# Altium PCB PCB1.PcbDoc
Units mm, origin at the board's own origin, x right, y up, seen from the top; angles counter-clockwise.
Board outline 134 x 92.5 mm, 2 copper layers (Top Layer, Bottom Layer), stack 0.325 mm thick; 74 components, 45 nets, 210 pads, 134 vias.
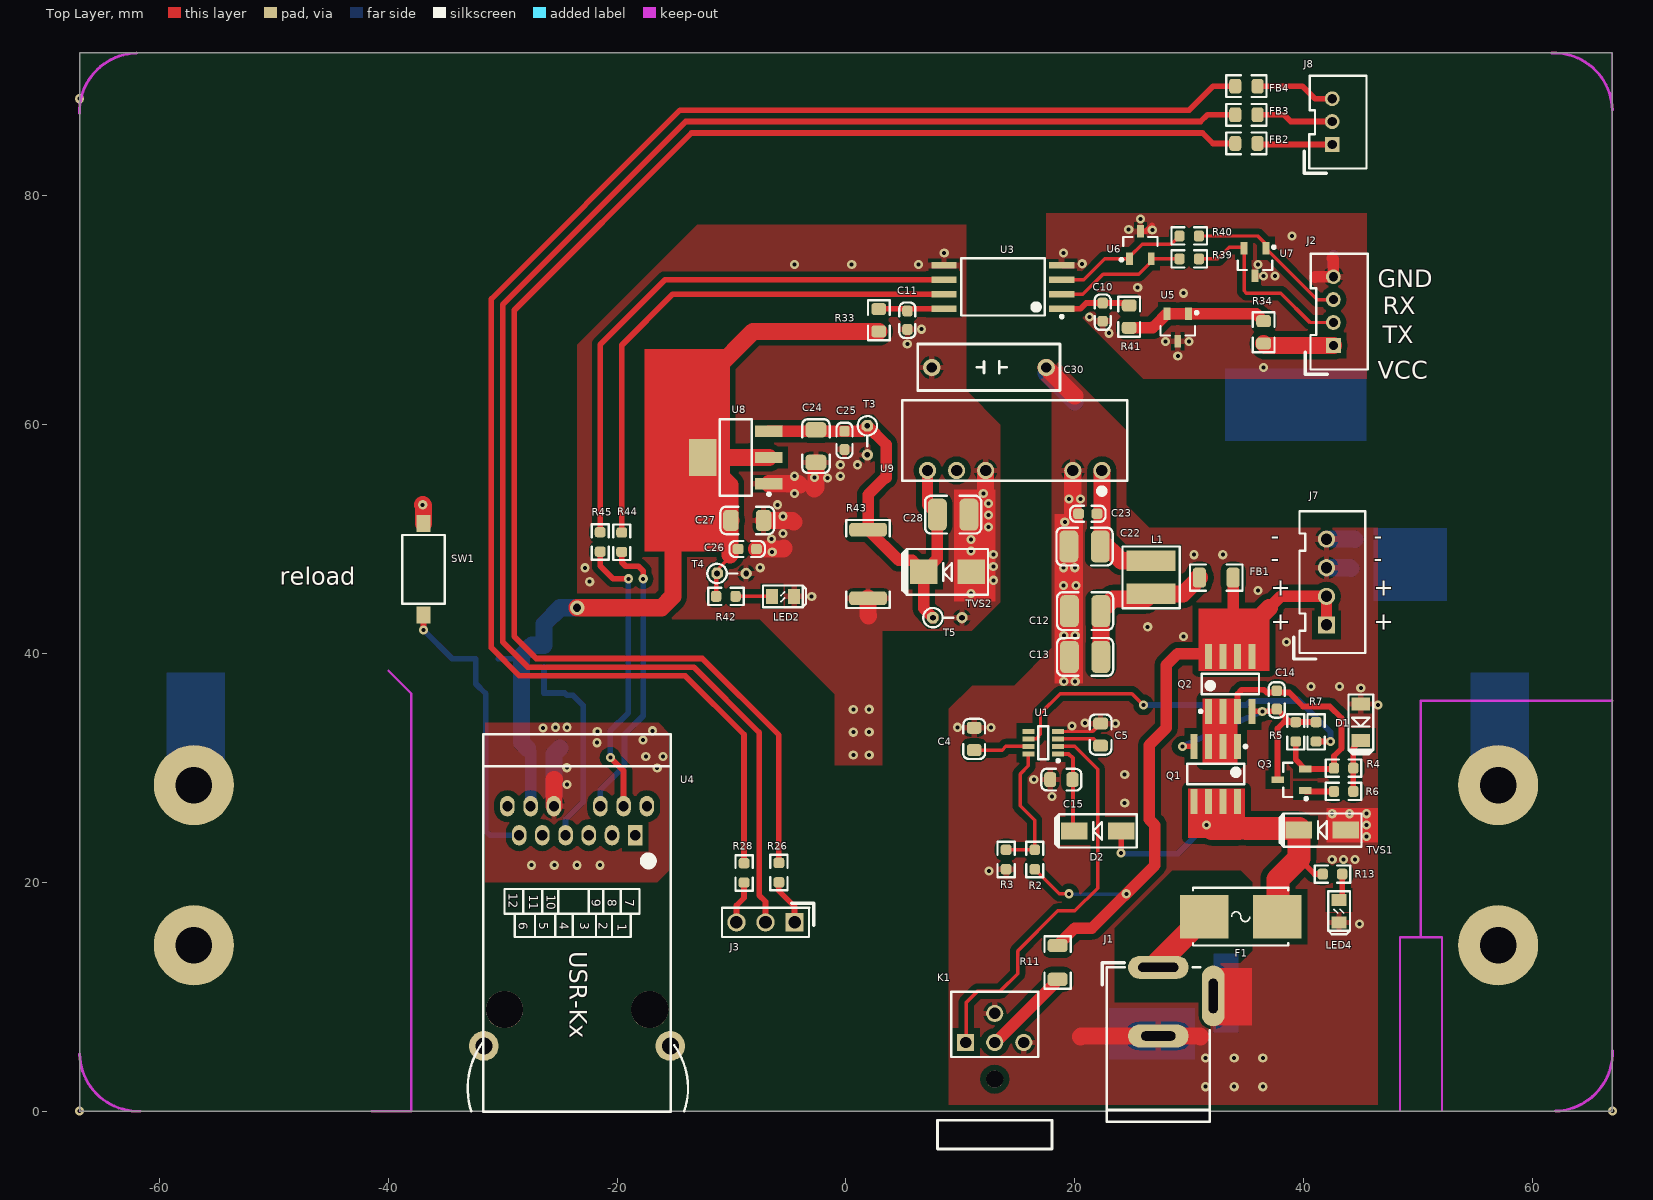
[diagram p0: Top Layer view]
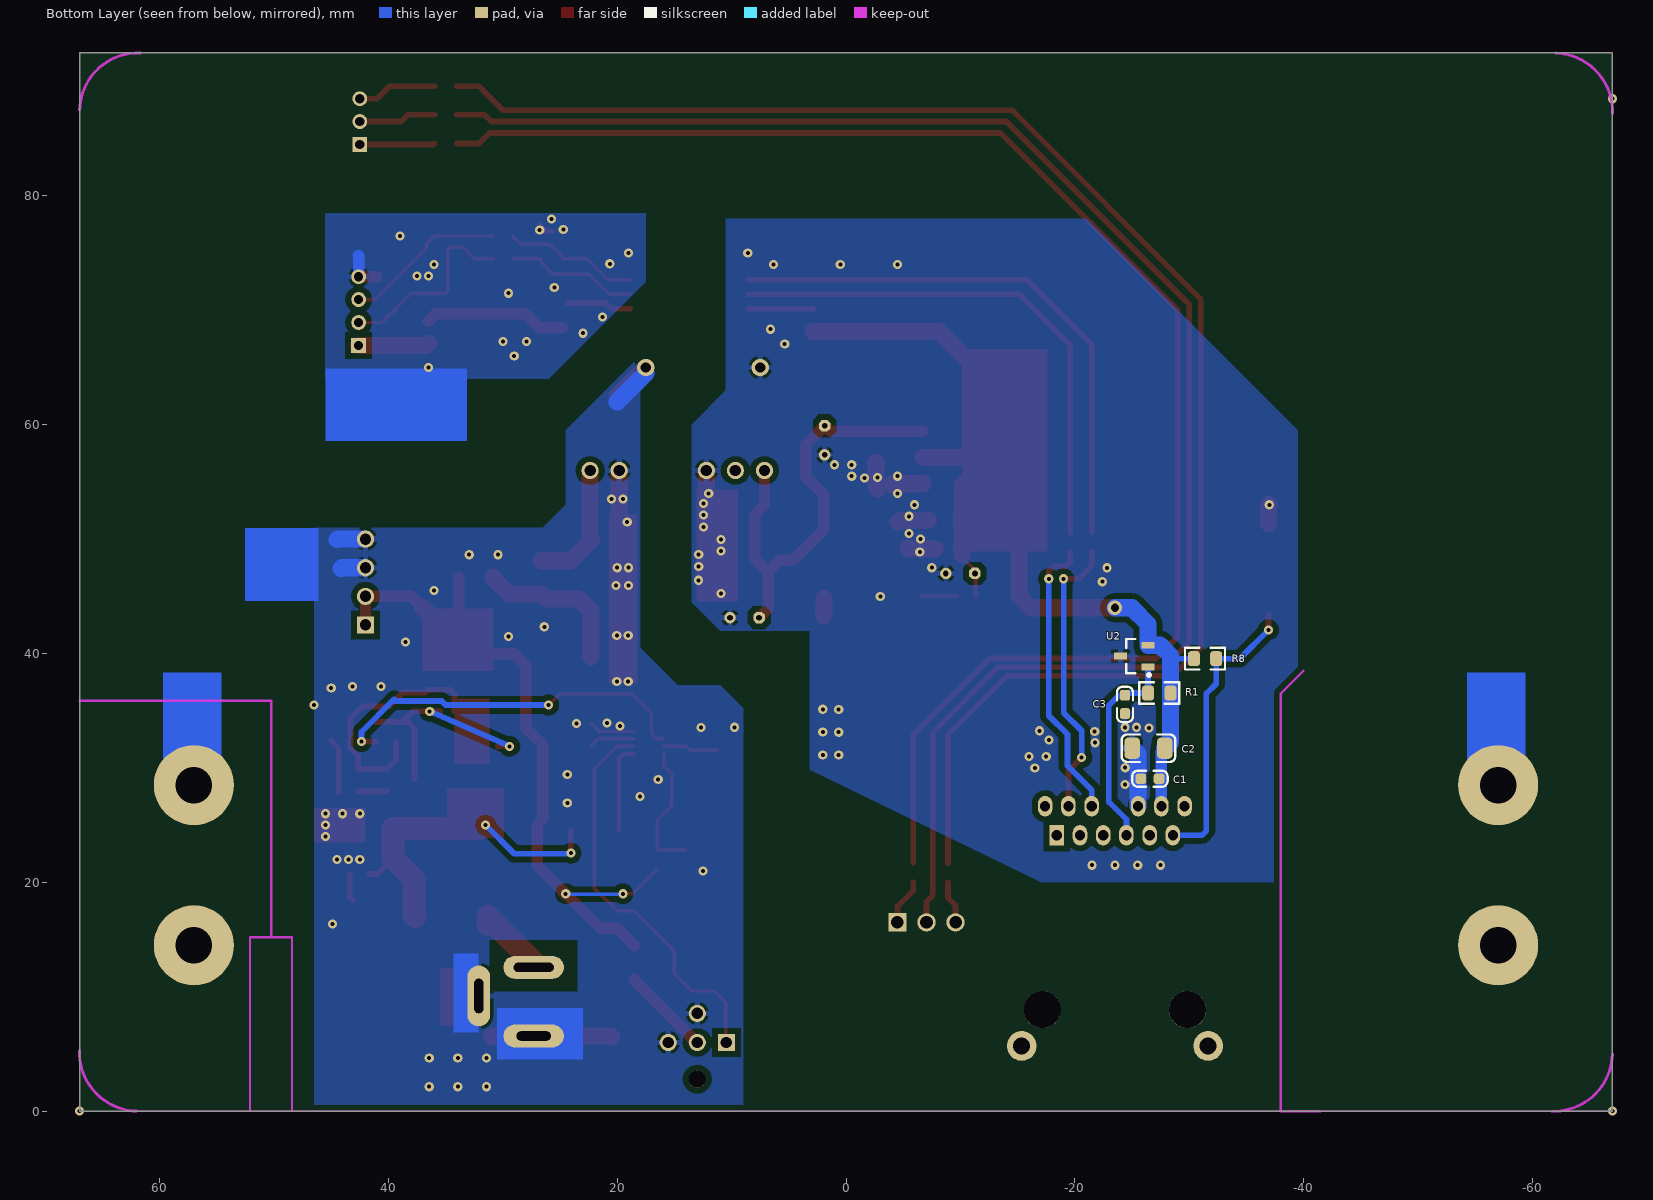
[diagram p1: Bottom Layer view, seen from below]
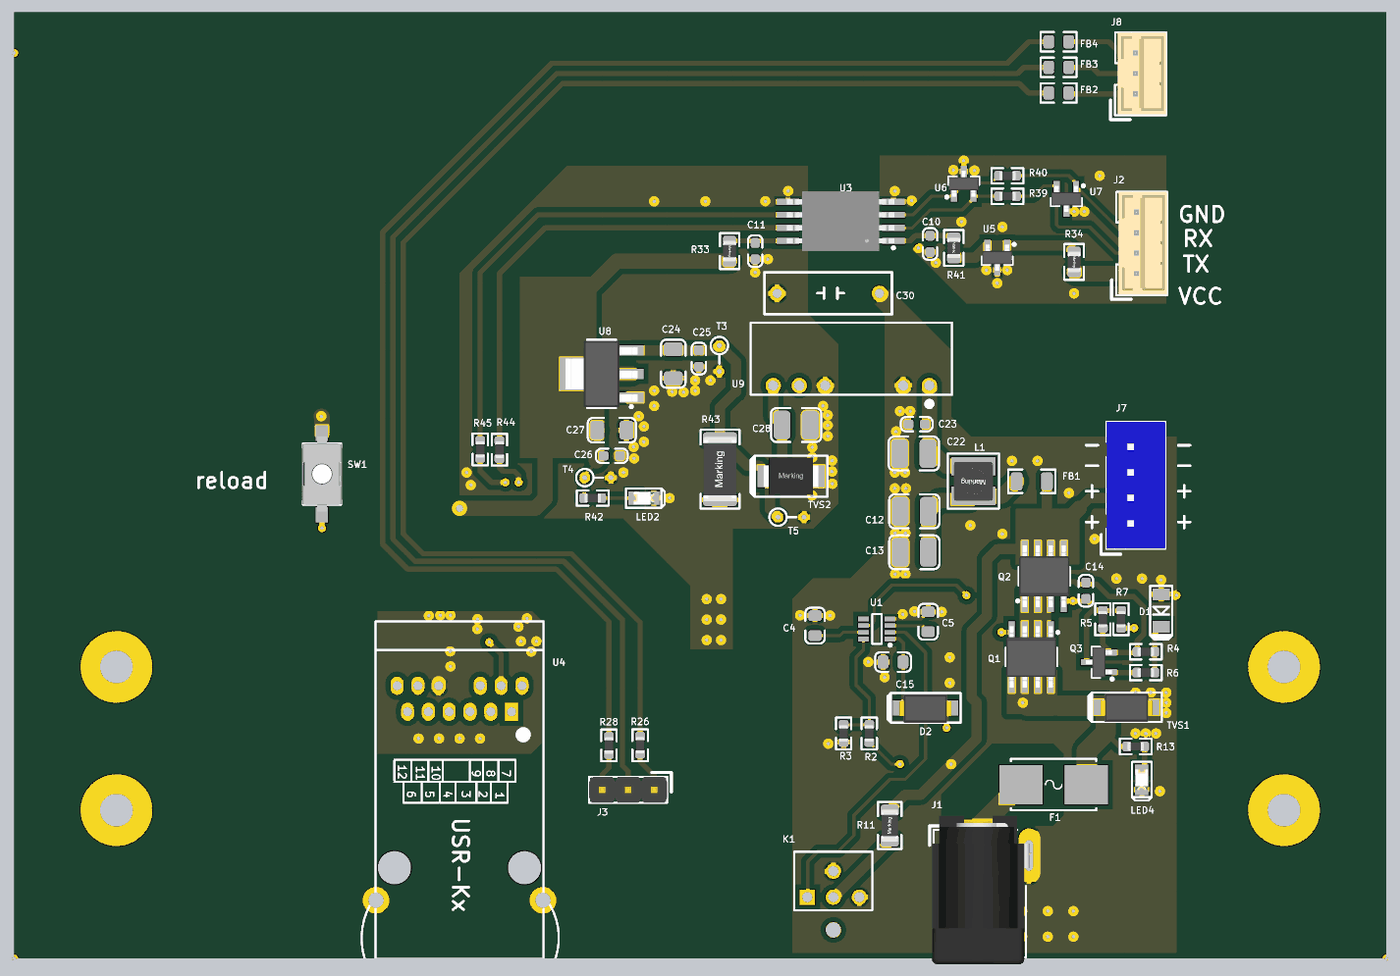
[diagram p2: 3D render of the assembled board from above, using the file's embedded part models]
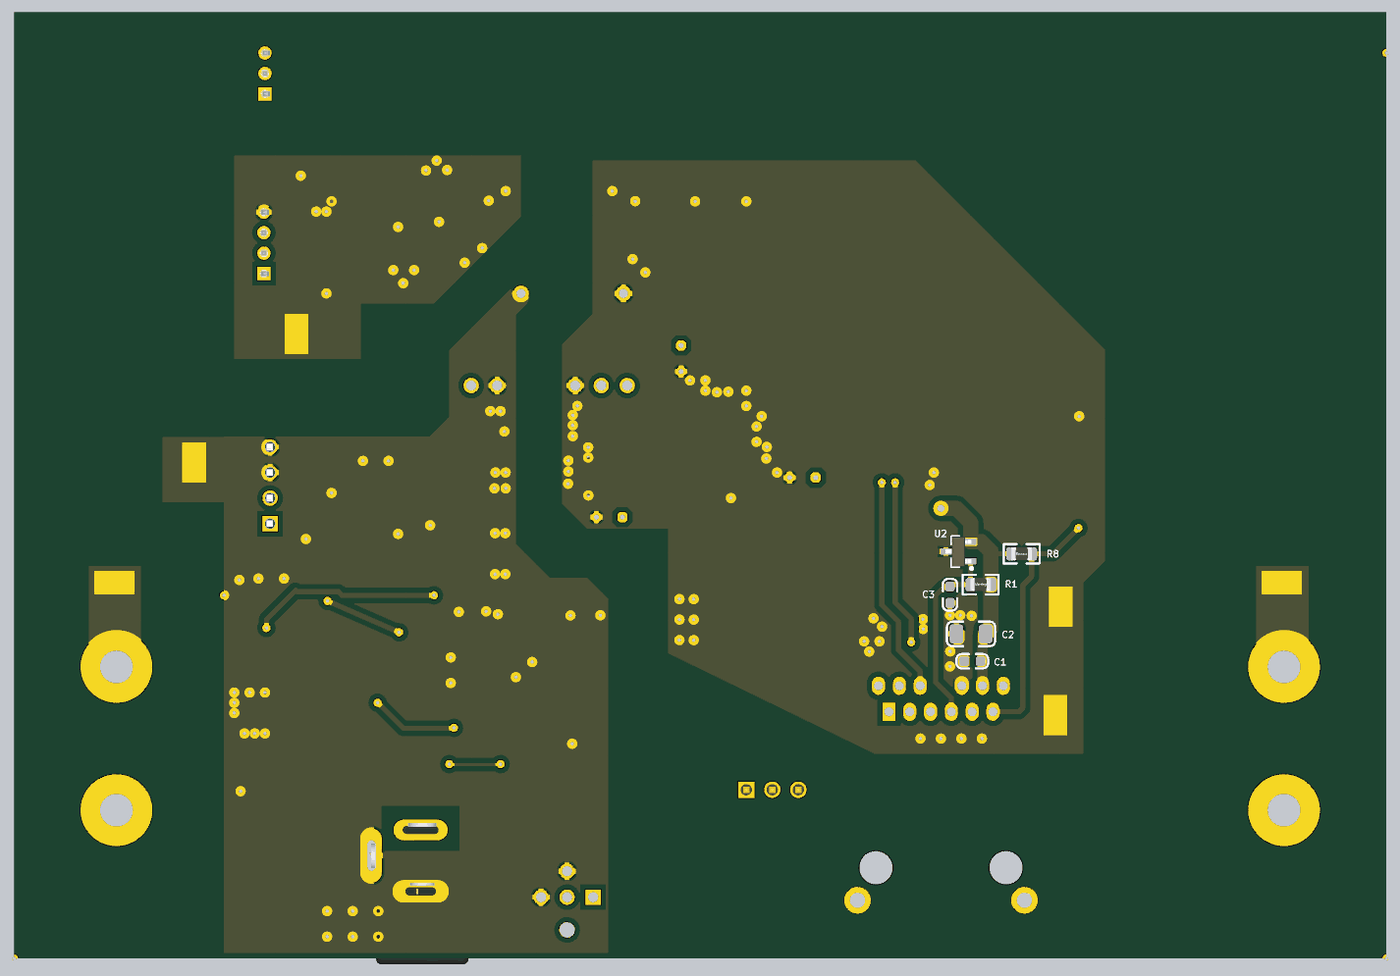
[diagram p3: 3D render of the assembled board from below, using the file's embedded part models]

## Layer stack, top to bottom
Top Solder: solder mask 0.0102, Solder Resist, Dk 3.5
Top Layer: signal copper 0.0356
Dielectric 1: core 0.254, FR-4, Dk 4.2
Bottom Layer: signal copper 0.0356
Bottom Solder: solder mask 0.0102, Solder Resist, Dk 3.5

## Board outline
-67,0 -67,92.5 67,92.5 67,0

## Design rules (kind name [scope] priority, off if disabled: settings)
Clearance Clearance_1 [InPolygon] p1: gap=0.5
Clearance [InNet('GND')] p2: gap=0.35
Clearance Clearance_2 [All] p3: gap=0.2
PolygonConnect [isvia] p1: connectstyle=Direct reliefconductorwidth=0.254 reliefentries=4 polygonreliefangle="90 Angle" airgapwidth=0.254
PolygonConnect PolygonConnect_1 [All] p2: connectstyle=Relief reliefconductorwidth=0.5 reliefentries=4 polygonreliefangle="90 Angle" airgapwidth=0.254
RoutingVias [All] p1: holewidth=0.711 width=1.27 viastyle="Through Hole" minholewidth=0.711 minwidth=1.27 maxholewidth=0.711 maxwidth=1.27
SilkToSolderMaskClearance [IsPad] p1: minsilkscreentomaskgap=0.01 clearancetoexposedcopper=TRUE
SolderMaskExpansion [All] p1: expansion=0.102
Width [All] p1: maxlimit=2 minlimit=0.254 preferedwidth=0.254
29 further rules are at their usual default settings.

## Components (designator, comment, footprint, x,y, rotation, side; value= is the part's Value field where it differs from the comment)
C1 "100nF/50V" C-0603 -26.567,29.06 r180 bottom
C2 "10uF/25V" C-1206 -26.44,31.727 r180 bottom
C3 "?F/?V" C-0603 -24.383,35.553 r270 bottom
C4 "?F/?V" C-0805 11.205,32.536 r90 top
C5 "?F/?V" C-0805 22.254,32.917 r270 top
C10 "100nF/50V" C-0603 22.437,69.841 r270 top
C11 "100nF/50V" C-0603 5.366,69.137 r90 top
C12 "10uF/25V" C-1210 20.901,43.706 r0 top
C13 "10uF/25V" C-1210 20.901,39.706 r0 top
C14 "?F/?V" C-0603 37.658,35.951 r270 top
C15 "?F/?V" C-0805 18.825,28.98 r0 top
C22 "10uF/25V" C-1210 20.853,49.352 r0 top
C23 "100nF/50V" C-0603 21.133,52.222 r180 top
C24 "10uF/25V" C-1206 -2.634,58.137 r90 top
C25 "100nF/50V" C-0603 -0.134,58.637 r90 top
C26 "100nF/50V" C-0603 -8.634,49.137 r180 top
C27 "10uF/25V" C-1206 -8.634,51.637 r180 top
C28 "10uF/25V" C-1210 9.366,52.137 r180 top
C30 "1000pF/3KV" HV_CAP 17.5,65 r180 top (schematic designator C16)
D1 "稳压" DO-213AB/LL34/MiniMELF 45,34 r90 top
D2 "稳压" DO-214AC/SMA 22,24.5 r0 top
F1 "?A/?V" F-Littlefuse_154 34.5,17 r180 top
FB1 "贴片磁珠600R@100MHz,2500mA,1206" FB-1206 32.366,46.637 r180 top
FB2 "?OU/@100M ?A?R@100MHz ?A" FB-0805 35,84.594 r0 top
FB3 "?OU/@100M ?A?R@100MHz ?A" FB-0805 35,87.094 r0 top
FB4 "?OU/@100M ?A?R@100MHz ?A" FB-0805 35,89.594 r0 top
J1 "ADC-002-2" ADC-002-2 27.3,12.568 r90 top
J2 "JST_PH 2.00-4" "JST_PH 2.00-4" 42.601,66.938 r90 top
J3 "SIP_2.54_3P" SIP_2.54_3P -4.496,16.5 r180 top
J7 "JST_XH 2.5-4" "JST_XH 2.5-4" 42,42.5 r270 top
J8 "JST_PH 2.00-3" "JST_PH 2.00-3" 42.5,84.5 r90 top
K1 "带灯按键 90度" "带灯按键 90度" 13,6 r0 top
L1 "6.8uH/750mA" "L-WE-TPC Size 3816" 26.67,46.66 r90 top (schematic designator L2)
LED2 "?颜色" LED-0805 -5.5,45 r180 top
LED4 "?颜色" LED-0805 43.104,17.475 r90 top
Q1 "PMOS-SOIC-8" SOIC-8(4.90*3.9) 32.324,29.474 r270 top
Q2 "PMOS-SOIC-8" SOIC-8(4.90*3.9) 33.594,37.348 r90 top
Q3 "PNP-SOT23" SOT23-3 38.928,28.966 r180 top
R1 "10K±1%" R-0805 -27.383,36.553 r180 bottom
R2 "?±1%" R-0603 16.5,22 r270 top
R3 "?±1%" R-0603 14,22 r90 top
R4 "?±1%" R-0603 43.5,29.982 r180 top
R5 "?±1%" R-0603 39.309,33.157 r270 top
R6 "?±1%" R-0603 43.5,27.95 r0 top
R7 "?±1%" R-0603 41.087,33.157 r90 top
R8 "10K±1%" R-0805 -31.383,39.553 r0 bottom
R11 "?±1%" R-1206 18.5,13 r90 top
R13 "?±1%" R-0603 42.52,20.726 r180 top
R26 "1K±1%" R-0603 -5.867,20.853 r90 top
R28 "1K±1%" R-0603 -8.915,20.828 r90 top
R33 "10Ω±1%" R-0805 2.866,69.137 r270 top
R34 "?±1%" R-0805 36.505,68.081 r270 top
R39 "?±1%" R-0603 30,74.5 r0 top
R40 "?±1%" R-0603 30,76.5 r0 top
R41 "10Ω±1%" R-0805 24.754,69.451 r270 top
R42 "?±1%" R-0603 -10.5,45 r180 top
R43 "120Ω" R-2512 1.93,47.828 r90 top
R44 "100±1%" R-0603 -19.609,49.733 r90 top
R45 "100±1%" R-0603 -21.488,49.759 r90 top
SW1 "按键开关3*6*2.5mm 2pin" "按键开关3*6*2.5MM 2PIN" -36.931,47.358 r270 top
T3 "test_point" TP-DIP-2 1.866,58.637 r270 top
T4 "test_point" TP-DIP-2 -10,47 r0 top
T5 "test_point" TP-DIP-2 8.866,43.137 r0 top
TVS1 "SMAJ13A" DO-214AC/SMA 41.637,24.566 r0 top
TVS2 "SMBJ5.0A" DO-214AA/SMB 8.866,47.137 r0 top
U1 "LTC2954ITS8-2#PBF(LTCNK)" SOT23-8 17.243,32.208 r180 top
U2 "PESD5V2S2UT(*U1)" SOT23-3 -25.197,39.776 r0 bottom
U3 "ADuM226N" "SOIC-8(Wide Body)" 18.866,70.137 r180 top
U4 "USR-K3 V2" "USR-K3 V2" -18.425,24.119 r270 top
U5 "PESD5V2S2UT(*U1)" SOT23-3 29,68.5 r270 top
U6 "PESD5V2S2UT(*U1)" SOT23-3 25.73,75.717 r90 top
U7 "PESD5V2S2UT(*U1)" SOT23-3 35.751,74.233 r270 top
U8 "LM1117IMP-3.3/NOPB(N05B)" SOT223 -9.634,57.137 r180 top
U9 "F1205S-2WR2" F_S-2WR2 22.366,56 r180 top

## Footprints (in the part's own frame and the unit in brackets; to place one, negate y for a bottom-side part, rotate by r counter-clockwise, add the part's x,y. Pads: shape width x height; smd on the part's side, far side on the other; paste and mask are expansions set on the pad)
ADC-002-2 [mm]
  oval 2x5.3 hole 0.8 slot 3.5 at 90 deg: 1(0,0)
  oval 5.3x2 hole 0.8 slot 3 at 0 deg: 2(-2.5,-4.8)
  oval 2x5.3 hole 0.8 slot 3 at 90 deg: 3(-6,0)
  silkscreen extent -13.5,-4.5 0.4,4.9, body extent -13.11,-4.84 1.39,4.66, height 10.65
C-0603 [mm] "Chip Capacitor, 2-Leads, Body 1.60x0.80mm, IPC Medium Density"
  rrect50% 0.95x0.9 smd: 1(-0.8,0) 2(0.8,0)
  silkscreen extent -1.55,-0.7 1.55,0.7, body extent -0.85,-0.45 0.85,0.45, height 0.5
C-0805 [mm] "Chip Capacitor, 2-Leads, Body 2.00x1.25mm, IPC Medium Density"
  rrect50% 1.05x1.3 smd: 1(-0.975,0) 2(0.975,0)
  silkscreen extent -1.75,-0.95 1.75,0.95, body extent -1.05,-0.67 1.05,0.68, height 0.5
C-1206 [mm] "Chip Capacitor, 2-Leads, Body 3.20x1.60mm, IPC Medium Density"
  rrect50% 1.35x1.85 smd: 1(-1.425,0) 2(1.425,0)
  silkscreen extent -2.35,-1.2 2.35,1.2, body extent -1.7,-0.9 1.7,0.9, height 1.25
C-1210 [mm] "Chip Capacitor, 2-Leads, Body 3.20x2.50mm, IPC Medium Density"
  rrect50% 1.65x2.8 smd: 1(-1.375,0) 2(1.375,0)
  silkscreen extent -2.45,-1.65 2.45,1.65, body extent -1.8,-1.4 1.8,1.4, height 2
DO-213AB/LL34/MiniMELF [mm] "MELF Diode, 2-Leads, Body 3.40x1.45mm, IPC Medium Density"
  rect 1.15x1.65 smd: A(1.6,0) K(-1.6,0)
  silkscreen extent -2.83,-1.07 2.43,1.07, body extent -1.76,-0.75 1.76,0.75, height 1.49
DO-214AA/SMB [mm] "Molded Diode, 2-Leads, Body 5.34x3.62mm, IPC Medium Density"
  rect 2.4x2.15 smd: A(2.075,0) K(-2.075,0)
  silkscreen extent -3.95,-2 3.55,2, body extent -2.7,-1.81 2.7,1.81, height 2.4
DO-214AC/SMA [mm] "Molded Diode, 2-Leads, Body 4.33x2.56mm, IPC Medium Density"
  rect 2.3x1.5 smd: A(2.05,0) K(-2.05,0)
  silkscreen extent -3.72,-1.45 3.42,1.45, body extent -2.56,-1.46 2.52,1.34, height 2.08
F-Littlefuse_154 [mm]
  rect 4.24x3.81 smd: 1(-3.185,0) 2(3.185,0)
  silkscreen extent -4.17,-2.52 4.17,2.52
F_S-2WR2 [mm]
  round 1.5 hole 1: 1(0,0) 2(2.54,0) 5(10.16,0) 6(12.7,0) 7(15.24,0)
  silkscreen extent -2.21,-6.15 17.44,2.05
FB-0805 [mm] "Chip Resistor, 2-Leads, Body 2.00x1.25mm, IPC Medium Density"
  rrect50% 1.05x1.3 smd: 1(-0.975,0) 2(0.975,0)
  silkscreen extent -1.75,-0.95 1.75,0.95, body extent -1.05,-0.67 1.05,0.68, height 0.5
FB-1206 [mm] "Chip Resistor, 2-Leads, Body 3.10x1.60mm, IPC Medium Density"
  rrect50% 1.15x1.75 smd: 1(-1.475,0) 2(1.475,0)
  silkscreen extent -2.3,-1.15 2.3,1.15, body extent -1.6,-0.85 1.6,0.85, height 0.55
HV_CAP [mil]
  round 60 hole 35.43: 1(0,0) 2(393.7,0)
  silkscreen extent -48,-81 442,80
"JST_PH 2.00-3" [mm]
  rect 1.3x1.3 hole 0.8: 1(0,0)
  round 1.3 hole 0.8: 2(2,0) 3(4,0)
  silkscreen extent -2.51,-3 6,2.44, body extent -2,-2.95 6,1.75, height 6.13
"JST_PH 2.00-4" [mm]
  rect 1.3x1.3 hole 0.8: 1(0,0)
  round 1.3 hole 0.8: 2(2,0) 3(4,0) 4(6,0)
  silkscreen extent -2.51,-3 8,2.44, body extent -2,-2.95 8,1.75, height 6.13
"JST_XH 2.5-4" [mm]
  rect 1.5x1.5 hole 1: 1(0,0)
  round 1.5 hole 1: 2(-2.5,0) 3(-5,0) 4(-7.5,0)
  silkscreen extent -9.95,-2.86 2.98,3.4, body extent -9.95,-2.35 2.45,3.4, height 7
"L-WE-TPC Size 3816" [mm]
  rect 1.8x4.3 smd: 1(-1.45,0) 2(1.45,0)
  silkscreen extent -2.7,-2.5 2.7,2.5, body extent -1.92,-1.9 1.88,1.9, height 1.6
LED-0805 [mm] "Molded Diode, 2-Leads, Body 1.20x0.80mm, IPC Medium Density"
  rect 1.05x1.3 smd: A(0.975,0) K(-0.975,0)
  silkscreen extent -2.01,-0.95 1.75,0.95, body extent -1,-0.63 1,0.62, height 0.7
R-0603 [mm] "Chip Resistor, 2-Leads, Body 1.60x0.80mm, IPC Medium Density"
  rrect50% 0.9x0.95 smd: 1(-0.85,0) 2(0.85,0)
  silkscreen extent -1.55,-0.75 1.55,0.75, body extent -0.8,-0.4 0.8,0.4, height 0.45
R-0805 [mm] "Chip Resistor, 2-Leads, Body 2.00x1.25mm, IPC Medium Density"
  rrect50% 1.05x1.3 smd: 1(-0.975,0) 2(0.975,0)
  silkscreen extent -1.75,-0.95 1.75,0.95, body extent -1,-0.63 1,0.62, height 0.6
R-1206 [mm] "Chip Resistor, 2-Leads, Body 3.10x1.60mm, IPC Medium Density"
  rrect50% 1.15x1.75 smd: 1(-1.475,0) 2(1.475,0)
  silkscreen extent -2.3,-1.15 2.3,1.15, body extent -1.55,-0.8 1.55,0.8, height 0.6
R-2512 [mm] "Chip Resistor, 2-Leads, Body 6.35x3.10mm, IPC Medium Density"
  rrect50% 1.2x3.3 smd: 1(-3,0) 2(3,0)
  silkscreen extent -3.85,-1.9 3.85,1.9, body extent -3.15,-1.6 3.15,1.6, height 0.6
SIP_2.54_3P [mm]
  rect 1.6x1.6 hole 1.1: 1(0,0)
  round 1.6 hole 1.1: 2(2.54,0) 3(5.08,0)
  silkscreen extent -1.67,-1.67 6.35,1.27, body extent -1.27,-1.27 6.35,1.27, height 8.57
SOIC-8(4.90*3.9) [mm] "SOIC, 8-Leads, Body 4.90x3.90mm, Pitch 1.27mm, IPC Medium Density"
  rect 2.2x0.6 smd: 1(-2.4,1.905) 2(-2.4,0.635) 3(-2.4,-0.635) 4(-2.4,-1.905) 5(2.4,-1.905) 6(2.4,-0.635) 7(2.4,0.635) 8(2.4,1.905)
  silkscreen extent -2.52,-2.5 0.9,2.72, body extent -3.01,-2.45 3.01,2.45, height 1.63
"SOIC-8(Wide Body)" [mm] "SOIC, 8-Leads, Body 4.90x3.90mm, Pitch 1.27mm, IPC Medium Density"
  rect 2.2x0.6 smd: 1(0,0) 2(0,-1.27) 3(0,-2.54) 4(0,-3.81) 5(10.31,-3.81) 6(10.31,-2.54) 7(10.31,-1.27) 8(10.31,0)
  silkscreen extent -0.13,-4.41 8.79,0.81, body extent -0.1,-4.83 10.41,1.02, height 2.65
SOT23-3 [mm] "SOT23, 3-Leads, Body 2.92x2.78mm, Pitch 0.95mm, IPC Medium Density"
  rect 1.1x0.6 smd: 1(-1.2,0.95) 2(-1.2,-0.95) 3(1.2,0)
  silkscreen extent -1.42,-1.5 0.7,1.78, body extent -1.27,-1.46 1.27,1.46, height 0.95
SOT23-8 [mm]
  rect 1.05x0.45 smd: 1(-1.3,0.975) 2(-1.3,0.325) 3(-1.3,-0.325) 4(-1.3,-0.975) 5(1.3,-0.975) 6(1.3,-0.325) 7(1.3,0.325) 8(1.3,0.975)
  silkscreen extent -1.42,-1.45 0.45,1.7, body extent -0.81,-1.45 0.81,1.45, height 1.25
SOT223 [mm] "SOT223, 4-Leads, Body 6.50x7.00mm (avg), Pitch 2.30mm, IPC Medium Density"
  rect 2.4x1 smd: 1(-2.9,2.3) 2(-2.9,0) 3(-2.9,-2.3)
  rect 2.4x3.2 smd: 4(2.9,0)
  silkscreen extent -3.03,-3.35 1.4,3.35, body extent -3.5,-3.25 3.5,3.25, height 1.68
TP-DIP-2 [mm]
  oct 1x1 hole 0.5: 1(-1.27,0)
  round 1 hole 0.5: 2(1.27,0)
  silkscreen extent -2.12,-0.85 0.51,0.85
"USR-K3 V2" [mil]
  rect 70x50 hole 35 mask+2: 1(0,0)
  oval 70x50 hole 35 mask+2: 2(0,-79.92) 3(0,-159.84) 4(0,-239.76) 5(0,-319.68) 6(0,-399.61) 7(-100,40.16) 8(-100,-40.16) 9(-100,-120.08) 10(-100,-279.92) 11(-100,-359.84) 12(-100,-439.76)
  round 102.36 hole 59.06 mask+2: 13(725.18,120.85) 14(725.18,-520.88)
  round 127.95 hole 127.95 unplated: 15(599.98,49.98) 15(599.98,-450.02)
  silkscreen extent -348,-576 952,182, body extent -348,-523 1030,123, height 533
"带灯按键 90度" [mm]
  rect 1.5x1.5 hole 1: 1(-2.54,0)
  round 1.5 hole 1: 2(2.54,0) 3(0,2.54) 4(0,0)
  round 1.5 hole 1.5: ""(0,-3.2)
  silkscreen extent -5,-9.3 5,4.44, body extent -4.1,-9.3 4.1,4.44, height 8.2
"按键开关3*6*2.5MM 2PIN" [mm]
  rect 1.5x1.2 smd: 1(-4,0) 2(4,0)
  silkscreen extent -3,-1.85 3,1.85, body extent -3.65,-1.95 3.65,1.95, height 2.5

## Part data
C1 C3 C10 C11 C14 C23 C25 C26: library part C-0603
C2 C24 C27: library part C-1206
C4 C5 C15: library part C-0805
C12 C13 C22 C28: library part C-1210
C30: library part CAP, "品牌：VISHAY(威世)，型号：S102K43X7RR6###R , 径向引线, X7R，ROHS"
D1: library part Diode-稳压-213AB/LL34/MiniMELF
D2: library part "Diode- 稳压-214AC (SMA)"
F1: library part F-Littlefuse_154
FB1: library part FB-1206, "品牌:Wurth品牌:Wurth，型号: 742792118, Rdc=0.07ohm，size 1206,2500mA，符合ROHS。"
FB2 FB3 FB4: library part FB-0805
J2: "品牌：JST 型号：B4B-PH-K-S，直插，间距2.00，4pin"
J7: "品牌：JST 型号：B4B-XH-A，直插，间距2.5，4pin"
J8: "品牌：JST 型号：B3B-PH-K-S，直插，间距2.00，3pin"
K1: library part POWER_BUTTON
L1: library part "L-WE-TPC Size 3816"
LED2 LED4: library part LED-0805
Q1 Q2 Q3: "品牌：型号："
R1 R8 R33 R34 R41: library part R-0805
R2 R3 R4 R5 R6 R7 R13 R26 R28 R39 R40 R42 R44 R45: library part R-0603
R11: library part R-1206
R43: library part 3Ω_1, "国巨RC2512FK-073R"
T3 T4 T5: library part TP-DIP-2
TVS1: library part TVS-Diode-214AC/SMA
TVS2: library part TVS-Diode-214AA/SMB
U1: library part LTC2954ITS8-2#PBF, "Linear,LTC2954ITS8-2#PBF,TSOT-23,–40~+85°C,"
U2 U5 U6 U7: library part PESD5V2S2UT, "品牌：NXP，型号：PESD5V2S2UT，SOT23-3，ROHS"
U3: "品牌：ADI，型号：ADuM226N0BRIZ,SOIC-8,-40~+105°C,ROHS"
U8: library part LM1117IMP-3.3/NOPB, "品牌：TI，型号：LM1117IMP-3.3/NOPB，800-mA Low-Dropout，SOT223，-40~+ 125°C，ROHS"
U9: library part F_S-2WR2, "品牌：金升阳，型号：，3000VDC隔离，输出2W"

## Free pads (board coordinates)
  round 7 hole 3.2: 3(-57,14.5) 3(-57,28.5) 3(57,14.5) 3(57,28.5)

## Via types
v1: diameter 0.8, hole 0.35, Top Layer to Bottom Layer, 133 vias
v2: diameter 1.27, hole 0.711, Top Layer to Bottom Layer, 1 vias

## Nets (pads, with @x,y where several pads share a name; then routed paths per layer and width w, separated by ;. In a path a pad name is that pad's centre, name@x,y a point inside that pad or via, vN(x,y) a via of type N, cw(c..) or ccw(c..) an arc to the next point about the centre after c; other vN are vias at no path point)
3.3V: R34.1 R41.2 U5.1 U5.2 | length 12.3
  Top Layer w1: R41.2 26.814,68.476 ; 27,68.662 28.038,69.7 U5.2 U5.1 35.861,69.7 R34.1
EIT_ISO_GND: C10.2 J2.4 U3.4 U5.3 U6.3 U7.3 | length 6.3
  Top Layer w0.5: U6.3 26.244,76.917 26.746,77.419
  Top Layer w1: 40.996,72.898 41.035,72.938 J2.4 42.601,74.467 42.52,74.549
  Bottom Layer w1: J2.4 42.601,74.758 42.621,74.778
  other v1: 36.5,65 29,66 27.94,67.285 29.972,67.285 23,68 21.296,69.432 29.5,71.5 25.5,72 36.5,73 37.5,73 36,74 20.65,74.066 19,75 39,76.5 26.772,77.013 24.714,77.064 25.73,77.978
GND: C4.2 C5.1 C12.1 C13.1 C15.1 C22.1 C23.2 C30.1 D1.A J1.2 J1.3 J7.3 J7.4 K1.2 K1.3 LED4.K R3.1 TVS1.A U1.4 U9.2 | length 40.8
  Top Layer w0.3: U1.4 21.545,33.183 C5.1
  Top Layer w1.5: C30.1 20,62.5 ; 19.491,45.637 19.491,51.137 19.826,51.472 U9.2 ; C13.1 C12.1 ; 20.5,6.5 20.568,6.568 J1.3 30.932,6.568 31,6.5
  Bottom Layer w1.5: C30.1@17.5,64.5 20,62 ; J7.3 44.042,47.5 44.12,47.422 ; J7.4 44.437,50 44.475,49.962
  other v1: 31.434,2.137 33.934,2.137 36.434,2.137 31.434,4.637 33.934,4.637 36.434,4.637 44.882,16.358 12.5,21 42.5,22 43.5,22 44.5,22 45.5,24 45.5,25 42.5,26 44,26 45.5,26 24.363,26.934 18,27.5 16.412,28.98 24.363,29.434 12.675,33.528 9.754,33.553 19.761,33.655 23.571,33.884 20.904,33.934 46.5,35.5 45,37 40.637,37.134 43.137,37.134 19.034,37.57 20.034,37.57 38.5,41 29.5,41.5 19.034,41.57 20.034,41.57 26.375,42.342 36,45.5 18.999,45.949 20.091,45.949 19,47.5 20,47.5 30.434,48.637 32.934,48.637 19.126,51.511 19.5,53.5 20.5,53.5
ISO_3.3V: C1.2 C2.2 C26.2 C27.2 R1.2 R8.2 R33.2 R42.2 T4.1 U2.2 U4.11 U8.2 U8.4 | length 79.1
  Top Layer w0.3: T4.1@-11.42,47.15 C26.2
  Top Layer w0.4: R42.2 -11.35,46.92 T4.1
  Top Layer w1.5: v2(-23.5,44) -16.134,44 -15.134,45 -15.134,50.407 -11.289,50.407 C27.2@-10.134,51.562 ; -11.634,64.637 -8.109,68.162 R33.2 ; -10.134,48.637 C27.2@-10.134,51.562 ; C27.2 C27.2@-10.134,51.562 ; U8.2 U8.4 -10.134,54.737 C27.2@-10.134,51.562
  Bottom Layer w0.5: R8.2 -28.358,39.553
  Bottom Layer w1: C2.2 -27.565,31.427 U4.11
  Bottom Layer w1.5: C2.2 -28.358,32.22 R1.2 -28.358,39.553 -28.358,39.825 -27.457,40.726 U2.2 -26.397,42.59 -24.986,44 v2(-23.5,44)
ISO_5V: C24.2 C25.2 C28.2 R43.2 T3.1 T5.1 TVS2.K U8.3 U9.7 | length 39.7
  Top Layer w1: U8.3 C25.2 1.396,59.437 T3.1 3.5,58.273 3.5,55.448 ; 3.5,55.372 3.5,55.448 ; U9.7 7.126,53.002 C28.2 7.991,48.337 TVS2.K ; T5.1 6.791,43.942 TVS2.K ; 3.5,55.448 1.93,53.879 R43.2 4.611,48.148 5.78,48.148 TVS2.K
ISO_GND: C1.1 C2.1 C3.2 C11.1 C24.1 C25.1 C26.1 C27.1 C28.1 C30.2 LED2.K R43.1 SW1.1 T3.2 T4.2 T5.2 TVS2.A U2.3 U3.5 U4.10 U8.1 U9.5 | length 37.6
  Top Layer w1.5: v1(-37,53) -36.931,52.931 SW1.1 ; U4.10 -25.535,28.965 -25.5,29 ; C26.1 -5.473,49.137 -5.41,49.2 ; C27.1 -4.698,51.637 -4.572,51.511 ; U8.1 -4.138,54.837 -4.039,54.737 ; -2.769,54.407 -2.634,54.542 C24.1 ; R43.1 1.93,43.358 1.981,43.307 ; v1@10.941,45.5 10.941,52.712 12.206,53.977 U9.5
  Bottom Layer w0.254: U4.10 -25.767,26.891 C1.1 -25.535,29.292 -25.015,29.812 C2.1
  Bottom Layer w1.5: U4.10 -25.535,29.292 -25.535,31.207 C2.1
  other v1: -27.5,21.5 -25.5,21.5 -23.5,21.5 -21.5,21.5 -24.383,28.553 -16.5,30 -24.409,30.023 -17.5,31 -16,31 0.635,31.122 2.032,31.128 -21.768,32.207 -17.755,32.436 0.635,33.122 2.032,33.128 -21.742,33.172 -16.916,33.249 -26.5,33.5 -25.383,33.553 -24.383,33.553 0.635,35.122 2.032,35.128 -3,45 10.922,45.263 -22.403,46.279 12.903,46.406 -22.809,47.498 -7.5,47.5 12.878,47.6 12.878,48.666 -6.452,48.87 10.941,48.971 10.941,49.962 -6.5,50 -5.5,50.5 12.446,51.054 -5.5,52 12.446,52.121 -6,53 12.446,53.111 -4.5,54 12,54 -1.626,55.347 -2.743,55.397 -4.5,55.5 -0.5,55.5 -0.5,56.5 1,56.5 5.359,67.056 6.604,68.351 -4.5,74 0.5,74 6.35,74.016 8.585,75.006
KEY: K1.1 U1.2 | length 35
  Top Layer w0.3: K1.1@10.5,5.974 10.5,9.5 11.5,10.5 13.5,10.5 15,12 15,14 18.5,17.5 20,17.5 22,19.5 22,29.892 20.009,31.883 U1.2
NetC4_1: C4.1 U1.7 | length 4.9
  Top Layer w0.3: C4.1 13.654,31.561 13.976,31.883 U1.7
NetC5_2: C5.2 U1.3 | length 4
  Top Layer w0.3: U1.3 21.663,32.533 C5.2
NetC10_1: C10.1 R41.1 U3.1 | length 5.7
  Top Layer w0.3: R41.1@24.341,70.637 R41.1@24.366,70.612
  Top Layer w0.5: U3.1 20.5,70.137 21,70.637 R41.1@24.341,70.637
NetC11_2: C11.2 R33.1 U3.8 | length 5.7
  Top Layer w0.5: R33.1 2.891,70.137 U3.8
NetC12_2: C12.2 C13.2 FB1.2 L1.1 | length 13.9
  Top Layer w1.5: C13.2 C12.2 23.326,44.756 26.217,44.756 L1.1 29.464,45.21 FB1.2 FB1.2@30.841,46.687
NetC14_1: C14.1 Q1.1 Q1.2 Q1.3 Q2.1 Q2.2 Q2.3 Q3.2 R4.2 R5.2 | length 21.7
  Top Layer w0.5: Q2.3 34.229,36.459 34.6,36.83 36.524,36.83 36.769,36.586 38.737,36.586 39.944,35.379 42.293,35.379 43.309,34.363 43.309,31.696 42.65,31.037 R4.2 42.584,29.916 Q3.2 39.309,30.735 R5.2
NetC14_2: C14.2 Q1.4 Q2.4 Q3.3 R5.1 R7.2 | length 20.4
  Top Layer w0.5: v1(29.403,31.887) 30.419,31.887 Q1.4 ; Q2.4 v1(36.388,34.948) 37.86,34.948 38.801,34.007 ; Q3.3 37.728,33.442 38.293,34.007 38.801,34.007 ; R7.2 R5.1 38.801,34.007
  Bottom Layer w0.5: v1(29.403,31.887) v1(36.388,34.948)
NetC15_2: C15.2 D2.K U1.1 | length 12.3
  Top Layer w0.3: D2.K@19.8,24.5 C15.2
  Top Layer w0.35: U1.1 19.46,31.233 19.841,30.852 19.841,24.609 D2.K
NetC22_2: C22.2 C23.1 L1.2 U9.1 | length 11.3
  Top Layer w1.5: U9.1 22.366,50.052 22.241,49.927 24.059,48.11 L1.2
NetD1_K: D1.K R4.1 R6.2 | length 4.8
  Top Layer w0.5: R6.2@44.426,27.874 R6.2 44.35,31.75 D1.K
NetD2_A: D2.A F1.1 Q1.5 Q1.6 Q1.7 Q1.8 R13.2 TVS1.K | length 33.9
  Top Layer w0.3: 34.293,24.707 34.434,24.566 TVS1.K
  Top Layer w0.5: v1@24,22.5 v1(24.05,22.55) D2.A ; 39.587,22.087 40.947,20.726 R13.2
  Top Layer w2: 31.989,24.707 34.293,24.707 ; 35,24.707 39.587,24.707 TVS1.K 39.587,22.087 37.746,20.246 37.746,17.061 F1.1
  Bottom Layer w0.5: v1@24,22.5 29,22.5 v1(31.5,25)
NetF1_2: F1.2 J1.1 | length 6.8
  Top Layer w2: J1.1 27.3,12.985 F1.2 F1.2@31.315,16.315
NetFB2_1: FB2.1 R26.2 | length 136.2
  Top Layer w0.5: R26.2 -5.867,32.867 -12.573,39.573 -27.073,39.573 -29,41.5 -29,70 -13.5,85.5 31.166,85.5 32.072,84.594 FB2.1
NetFB2_2: FB2.2 J8.1 | length 6.6
  Top Layer w0.5: FB2.2 36.069,84.5 J8.1
NetFB3_1: FB3.1 J3.2 | length 142.9
  Top Layer w0.5: J3.2 -7.036,18.313 -7.595,18.872 -7.595,33.095 -13.311,38.811 -27.811,38.811 -30,41 -30,70.5 -14,86.5 31,86.5 31.594,87.094 FB3.1
NetFB3_2: FB3.2 J8.2 | length 6.8
  Top Layer w0.5: FB3.2 38.281,87.094 38.874,86.5 J8.2
NetFB4_1: FB4.1 R28.2 | length 139.7
  Top Layer w0.5: R28.2 -8.915,32.915 -14.049,38.049 -28.549,38.049 -31,40.5 -31,71 -14.5,87.5 30,87.5 32.094,89.594 FB4.1
NetFB4_2: FB4.2 J8.3 | length 7
  Top Layer w0.5: FB4.2 39.906,89.594 41,88.5 J8.3
NetJ2_1: J2.1 R34.2 | length 6.2
  Top Layer w1.5: R34.2 36.673,66.938 J2.1
NetJ3_1: J3.1 R26.1 | length 4.1
  Top Layer w0.5: R26.1 -5.867,19.253 -4.496,17.882 J3.1
NetJ3_3: J3.3 R28.1 | length 3.8
  Top Layer w0.5: J3.3 -9.576,17.983 -8.915,18.644 R28.1
NetK1_4: K1.4 R11.1 | length 7.8
  Top Layer w1: K1.4@13.04,5.974 18.5,11.434 R11.1
NetLED2_A: LED2.A R42.1 | length 3.3
  Top Layer w0.3: R42.1@-9.784,45 R42.1 LED2.A
NetLED4_A: LED4.A R13.1 | length 2.4
  Top Layer w0.5: LED4.A 43.37,18.716 R13.1
NetQ3_1: Q3.1 R6.1 | length 2.5
  Top Layer w0.5: Q3.1 40.194,27.95 R6.1
NetR2_1: R2.1 R3.2 U1.8 | length 11.7
  Top Layer w0.3: R3.2 R2.1 16.5,25.418 15.218,26.699 15.218,29.468 15.943,30.193 U1.8
NetR7_1: R7.1 U1.6 | length 33.1
  Top Layer w0.3: U1.6 15.964,32.554 16.636,32.554 16.872,32.791 16.872,32.872 17,33 17,34.779 18.721,36.5 25,36.5 v1(26,35.5)
  Top Layer w0.5: R7.1 v1(42.357,32.307)
  Bottom Layer w0.5: v1(26,35.5) 34.981,35.5 35.333,35.852 39.352,35.852 39.5,36 42.357,33.143 v1(42.357,32.307)
NetR8_1: R8.1 SW1.2 U4.6 | length 25.5
  Top Layer w0.5: SW1.2@-37,43.427 SW1.2 v1(-36.931,42.069)
  Bottom Layer w0.5: v1(-36.931,42.069) -34.414,39.553 R8.1 -32.358,37.359 -31.5,36.5 -31.5,24.499 -31.119,24.119 U4.6
NetR44_2: R44.2 U3.7 | length 46.4
  Top Layer w0.5: R44.2 -19.609,66.954 -15.156,71.407 U3.7
NetR45_2: R45.2 U3.6 | length 48.8
  Top Layer w0.5: R45.2 -21.488,67.012 -15.823,72.677 U3.6
RS232_USR-K7-RX: J2.3 R40.2 U7.1 | length 14.3
  Top Layer w0.3: R40.2 36,76.5 36.701,75.799 U7.1 41.196,70.938 J2.3
RS232_USR-K7-TX: J2.2 R39.2 U7.2 | length 17
  Top Layer w0.3: R39.2 32.5,74.5 33.5,75.5 34.734,75.5 U7.2 34.801,71.699 35,71.5 36.642,71.5 38,71.5 40.562,68.938 J2.2@42.5,68.938
USR-K7-RX: R45.1 U4.8 | length 25.2
  Top Layer w0.5: R45.1 -21.488,47.654 -20.367,46.533 v1(-19.025,46.533) ; v1(-20.599,30.912) -19.445,29.757 U4.8
  Bottom Layer w0.5: v1(-20.599,30.912) -20.599,33.249 -19.025,34.823 v1(-19.025,46.533)
USR-K7-TX: R44.1 U4.9 | length 25.2
  Top Layer w0.5: R44.1 -19.609,47.981 -19.253,47.625 -18.136,47.625 -17.729,47.219 v1(-17.729,46.533)
  Bottom Layer w0.5: U4.9 -21.475,28.067 -19.353,30.189 -19.353,32.945 -17.729,34.569 v1(-17.729,46.533)
USR-KX_REST: C3.1 R1.1 U2.1 U4.4 | length 18.1
  Bottom Layer w0.5: U2.1 -26.397,36.565 R1.1 -24.583,36.553 C3.1 -23.853,36.353 -22.979,35.479 -22.979,27.021 -24.515,25.485 U4.4
USR-RX: R40.1 U3.3 U6.1 | length 12
  Top Layer w0.3: U3.3 20.772,72.677 22.612,74.517 U6.1 24.78,74.691 25.883,75.794 28.444,75.794 R40.1
USR-TX: R39.1 U3.2 U6.2 | length 11.7
  Top Layer w0.3: U3.2 20.708,71.407 22.463,73.162 25.588,73.162 26.68,74.254 U6.2@26.68,74.5 ; U6.2 U6.2@26.68,74.5 ; R39.1 U6.2@26.68,74.5
V_IN: FB1.1 J7.1 J7.2 Q2.5 Q2.6 Q2.7 Q2.8 R2.2 R11.2 | length 57.2
  Top Layer w0.3: R2.2 18.65,19 v1(19.5,19)
  Top Layer w1: R11.2 18.5,14.5 20,16 21.5,16 27,21.5 27,25 26.5,25.5 26.5,32 28,33.5 28,39 29,40 32,40 ; 33.841,42.5 FB1.1 ; 35.5,42.5 35.832,42.832 ; 37,44 38,45 J7.2 J7.1
  Top Layer w1.5: 35.832,42.832 37,44
  Bottom Layer w0.3: v1(19.5,19) 19.539,18.961 v1@24.461,18.961
  other v1: 24.5,19
pads on no net: K1. U1.5 U4.1 U4.2 U4.3 U4.5 U4.7 U4.12 U4.13 U4.14 U4.15 U9.6
copper on no net:
  other v1: -67,0 67,0 -67,88.5

## Polygon pours and split planes (outlines as drawn)
EIT_ISO_GND on Top Layer "Top Layer-No Net" (solid, remove dead copper, pour order 22): 17.5,78.5 17.5,72.5 26,64 32.5,64 45.5,64 45.5,78.5
no net on Top Layer "TopLayer-PGND" (hatched 90Degree grid 0.254 track 0.254, remove dead copper, pour order 4): -517.566,-73.863
ISO_GND on Top Layer "Top Layer-No Net" (solid, remove dead copper, pour order 10): 10.5,77.5 -13,77.5 -23.5,67 -23.5,45 -21.5,43 -7.542,43 -1,36.458 -1,30.226 3.175,30.226 3.175,42 11,42 13.5,44.5 13.5,60 10.5,63
GND on Top Layer "Top Layer-No Net" (solid, remove dead copper, pour order 16): 16,66 18,66 24.5,59.5 24.5,53 26.5,51 46.5,51 46.5,-0.5 9,-0.5 9,35.162 11.024,37.186 14.686,37.186 18,40.5 18,62 18,63 16,65
ISO_GND on Top Layer "Top Layer-No Net" (solid, pour order 24): -31.521,33.934 -16.383,33.934 -15.5,33.051 -15.5,21 -16.5,20 -31.521,20
GND on Bottom Layer "Top Layer-No Net" (solid, remove dead copper, pour order 14): 16,66 18,66 24.5,59.5 24.5,53 26.5,51 46.5,51 46.5,-0.5 9,-0.5 9,35.213 10.998,37.211 14.711,37.211 18,40.5 18,62 18,63 16,65
EIT_ISO_GND on Bottom Layer "Top Layer-No Net" (solid, remove dead copper, pour order 18): 17.5,78.5 45.5,78.5 45.5,64 44.5,64 39.5,64 26,64 17.5,72.5
ISO_GND on Bottom Layer "Top Layer-No Net" (solid, remove dead copper, pour order 20): 10,78 -21,78 -39.5,59.5 -39.5,20.5 -39,20 -17.053,20 3.15,29.842 3.15,42 11,42 13.5,44.5 13.5,60 10.5,63 10.5,78

## Keep-outs
Keep-Out Layer:
  lines w0.1: -67,0 62.012,0 ; 67,4.664 67,92.5
  lines w0.178: 48.423,0 48.423,15.189 ; 52.08,0 52.08,15.189
  lines w0.2: -41.455,0 -38,0 -38,36.5 -40,38.5 ; 67,35.865 50.251,35.865 50.251,15.189 ; 50.251,15.189 48.423,15.189 50.251,15.189 ; 50.251,15.189 52.08,15.189 50.251,15.189
  lines w0.254: -67.01,87.195 cw(c-61.858,87.348) -62.01,92.5 ; -67,4.99 ccw(c-61.848,5.142) -61.695,-0.01 ; 61.695,92.51 cw(c61.848,87.358) 67,87.51 ; 62.012,0 ccw(c61.859,5.152) 67.012,5.305

## Other copper
Top Layer:
  rectangle net GND: 18.212,37.389 20.726,52.197
  rectangle net ISO_GND: 9.43,44.545 13.088,54.35
  rectangle net GND: 32,7.5 35.5,12.5
  rectangle net GND: 42,23.5 46.5,26.5
  region net NetD2_A: 29.911,28.204 29.911,23.886 34.864,23.886 34.864,28.204
  region net NetC14_1: 31.181,36.078 31.181,30.363 34.229,30.363 34.229,36.078
  region net V_IN: 30.8,43.952 30.8,38.491 37.023,38.491 37.023,43.952
  rectangle net ISO_3.3V: -17.634,48.907 -10.134,66.637
  pour cut-out: 23.5,9.5 23.5,16 28.5,21 34.5,21 35.5,20 35.5,14 34.45,12.95 31,12.95 31,9.5
Bottom Layer:
  rectangle net GND: 23,4.5 30.5,9
  rectangle net GND: 32.131,6.858 34.315,13.767
  region: 59.714,29.772 59.714,38.354 54.609,38.354 54.609,29.772
  region: -54.286,29.772 -54.286,38.354 -59.391,38.354 -59.391,29.772
  rectangle net EIT_ISO_GND: 33.147,58.598 45.517,64.897
  rectangle net GND: 46.126,44.577 52.527,50.952
  pour cut-out: 23.5,14.945 31.127,14.945 31.127,10.5 23.5,10.5

## Silkscreen, mask and mechanical layers (free items; w line width, h text height)
Top Overlay:
  text "GND" at 46.5,72 h1.52
  text "RX" at 46.934,69.637 h1.52
  text "TX" at 46.934,67.137 h1.52
  text "VCC" at 46.5,64 h1.52
  text "-" at 37.137,49.566 h1.52
  text "-" at 46.137,49.566 h1.52
  text "-" at 37.137,47.566 h1.52
  text "-" at 46.137,47.566 h1.52
  text "reload" at -49.5,46 h1.52
  text "+" at 37.137,45.066 h1.52
  text "+" at 46.137,45.066 h1.52
  text "+" at 37.137,42.066 h1.52
  text "+" at 46.137,42.066 h1.52
Bottom Solder:
  region: 59.182,35.585 59.182,37.897 55.245,37.897 55.245,35.585
  region: -54.818,35.585 -54.818,37.897 -58.755,37.897 -58.755,35.585
  region: -33.503,25.751 -35.814,25.751 -35.814,21.814 -33.503,21.814
  region: 40.564,62.987 38.252,62.987 38.252,59.05 40.564,59.05
  region: -34.036,36.343 -36.347,36.343 -36.347,32.406 -34.036,32.406
  region: 50.571,50.465 48.26,50.465 48.26,46.528 50.571,46.528
Mechanical 1:
  lines w0.2: -67,0 67,0 67,92.5 ; 48.423,0 48.423,15.189 ; 49.616,-9.22 49.616,-0.584 ; 52.08,0 52.08,15.189
  lines w0.254: -67.01,87.195 cw(c-61.858,87.348) -62.01,92.5 ; -67,0 -67,92.5 67,92.5 ; -67,4.99 ccw(c-61.848,5.142) -61.695,-0.01 ; 61.695,92.51 cw(c61.848,87.358) 67,87.51 ; 62.012,0 ccw(c61.859,5.152) 67.012,5.305
  text "按机械层1加工" at 79.969,19.228 h6.35
  text "1.6mm板厚" at 80.985,9.83 h6.35
  text "挖槽" at 43.901,-14.427 h6.35

## Text inside footprints (layer, text, board x,y; h text height)
Q3: Mechanical 15 "D-C" at 38.566,29.956 h0.51 r180; Mechanical 15 "G-B" at 39.074,28.178 h0.51 r180; Mechanical 15 "S-E" at 40.852,29.397 h0.51 r180
U2: Mechanical 15 "D-C" at -24.835,40.767 h0.51 r180; Mechanical 15 "G-B" at -25.343,38.989 h0.51 r180; Mechanical 15 "S-E" at -27.121,40.208 h0.51 r180
U4: Top Overlay "USR-Kx" at -24.14,13.959 h1.52 r270; Top Overlay "6" at -28.585,16.499 h0.76 r270; Top Overlay "12" at -29.474,19.039 h0.76 r270; Top Overlay "11" at -27.696,18.912 h0.76 r270; Top Overlay "10" at -26.172,18.912 h0.76 r270; Top Overlay "9" at -22.235,18.531 h0.76 r270; Top Overlay "8" at -20.838,18.531 h0.76 r270; Top Overlay "7" at -19.314,18.531 h0.76 r270; Top Overlay "5" at -26.807,16.499 h0.76 r270; Top Overlay "4" at -25.029,16.499 h0.76 r270; Top Overlay "3" at -23.251,16.499 h0.76 r270; Top Overlay "2" at -21.6,16.499 h0.76 r270; Top Overlay "1" at -19.949,16.372 h0.76 r270; Mechanical 13 "2mm" at -22.235,-0.646 h0.76 r180
U5: Mechanical 15 "S-E" at 28.568,70.424 h0.51 r270; Mechanical 15 "G-B" at 29.787,68.646 h0.51 r270; Mechanical 15 "D-C" at 28.009,68.138 h0.51 r270
U6: Mechanical 15 "D-C" at 26.721,76.079 h0.51 r90; Mechanical 15 "G-B" at 24.943,75.571 h0.51 r90; Mechanical 15 "S-E" at 26.162,73.793 h0.51 r90
U7: Mechanical 15 "S-E" at 35.32,76.157 h0.51 r270; Mechanical 15 "G-B" at 36.539,74.379 h0.51 r270; Mechanical 15 "D-C" at 34.761,73.871 h0.51 r270